# Altium PCB BtnCore.PcbDoc
Units mm, origin at the board's own origin, x right, y up, seen from the top; angles counter-clockwise.
Board outline 100 x 100 mm, 4 copper layers (Top Layer, GND, POWER, Bottom Layer), stack 0.603 mm thick; 78 components, 90 nets, 455 pads, 113 vias.
Unrouted connection lines stored in the file: 24.
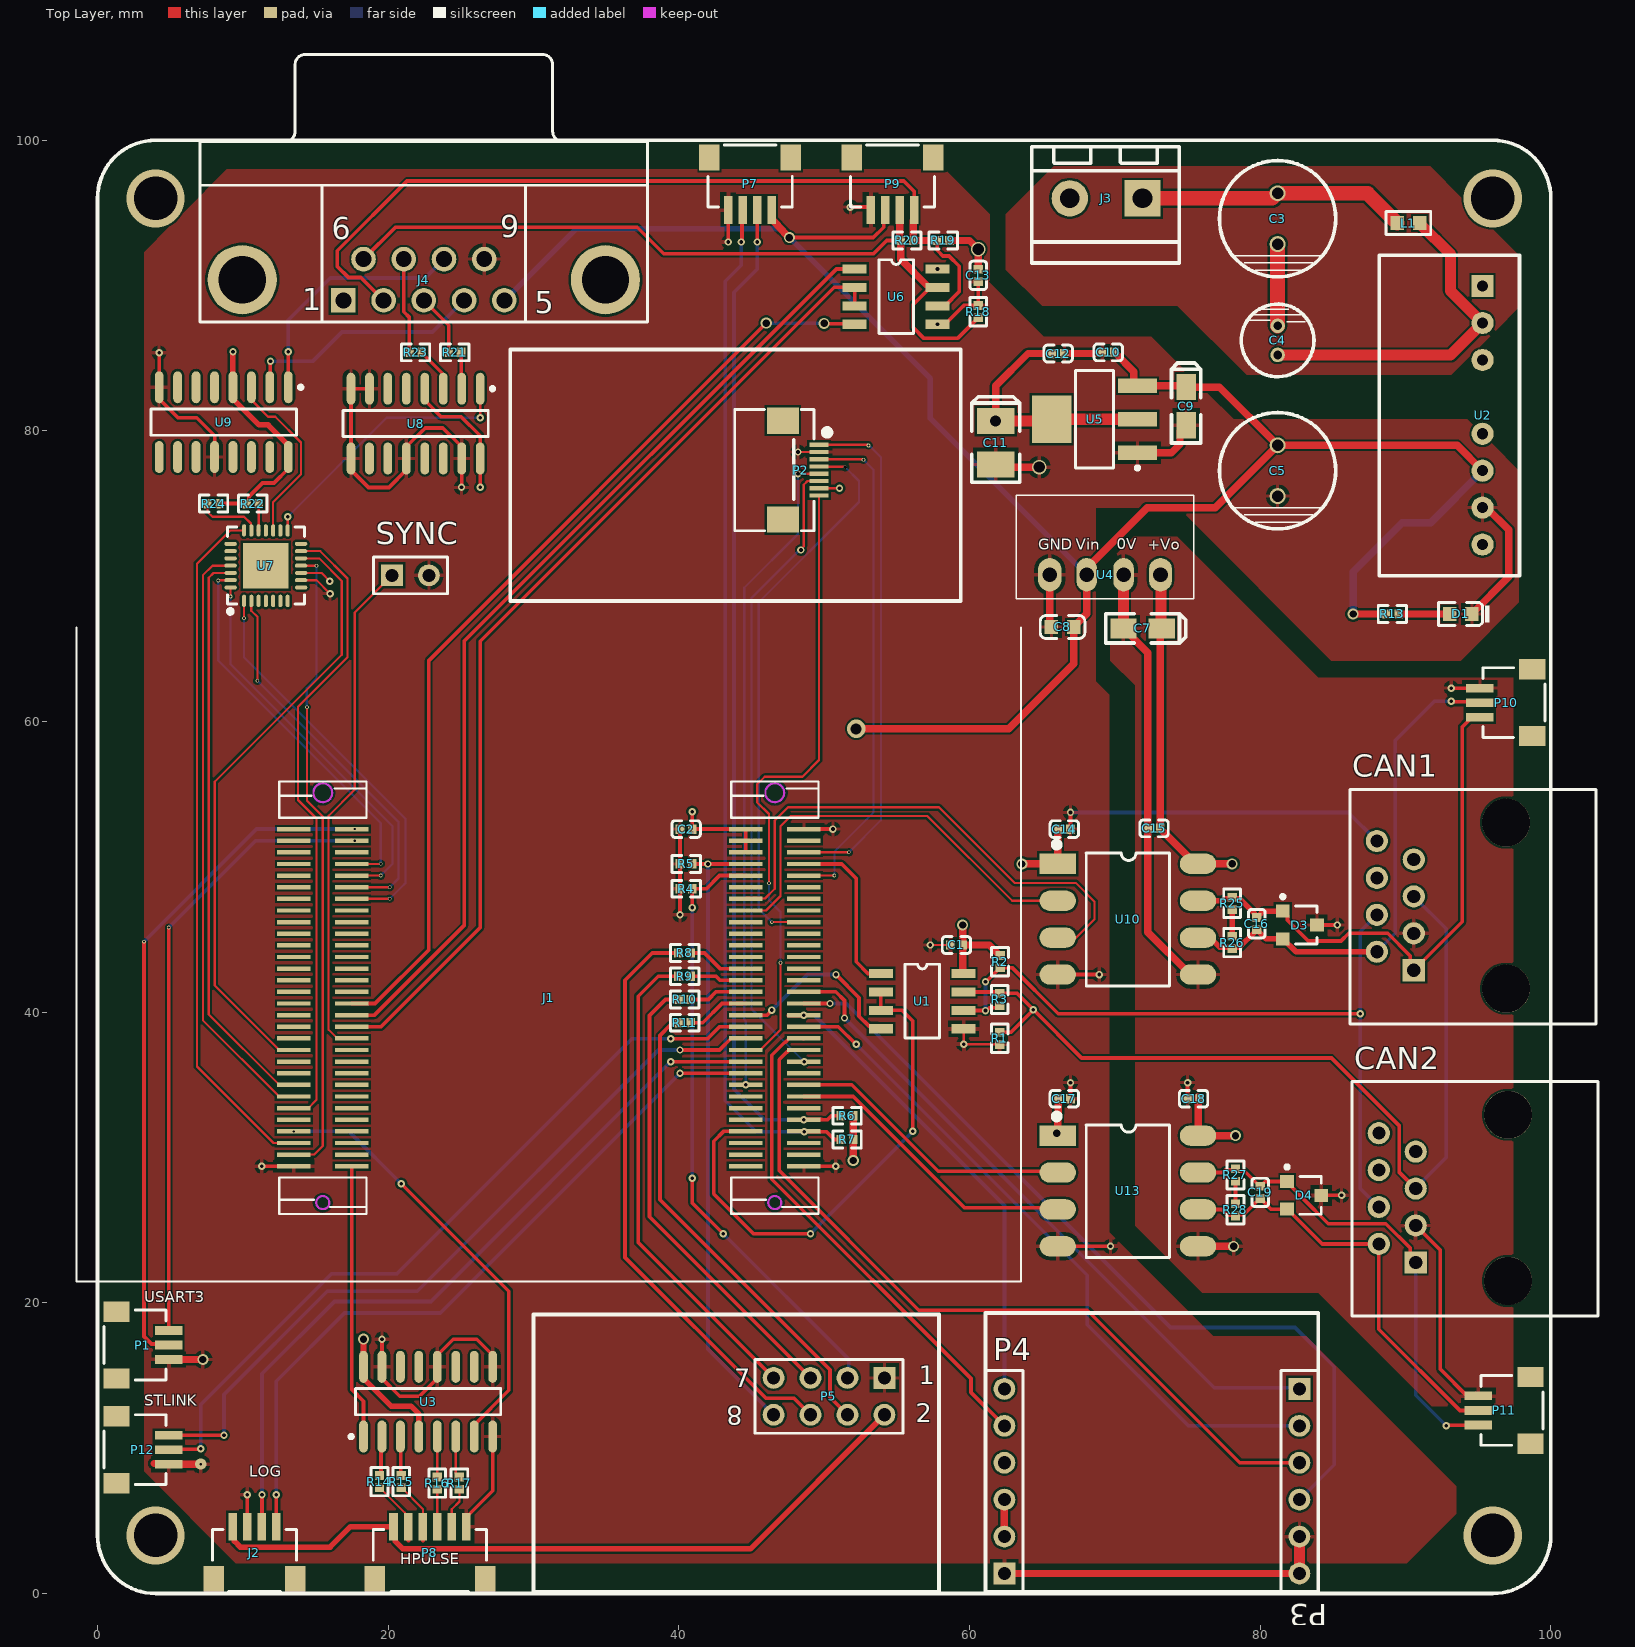
[diagram p0: Top Layer view]
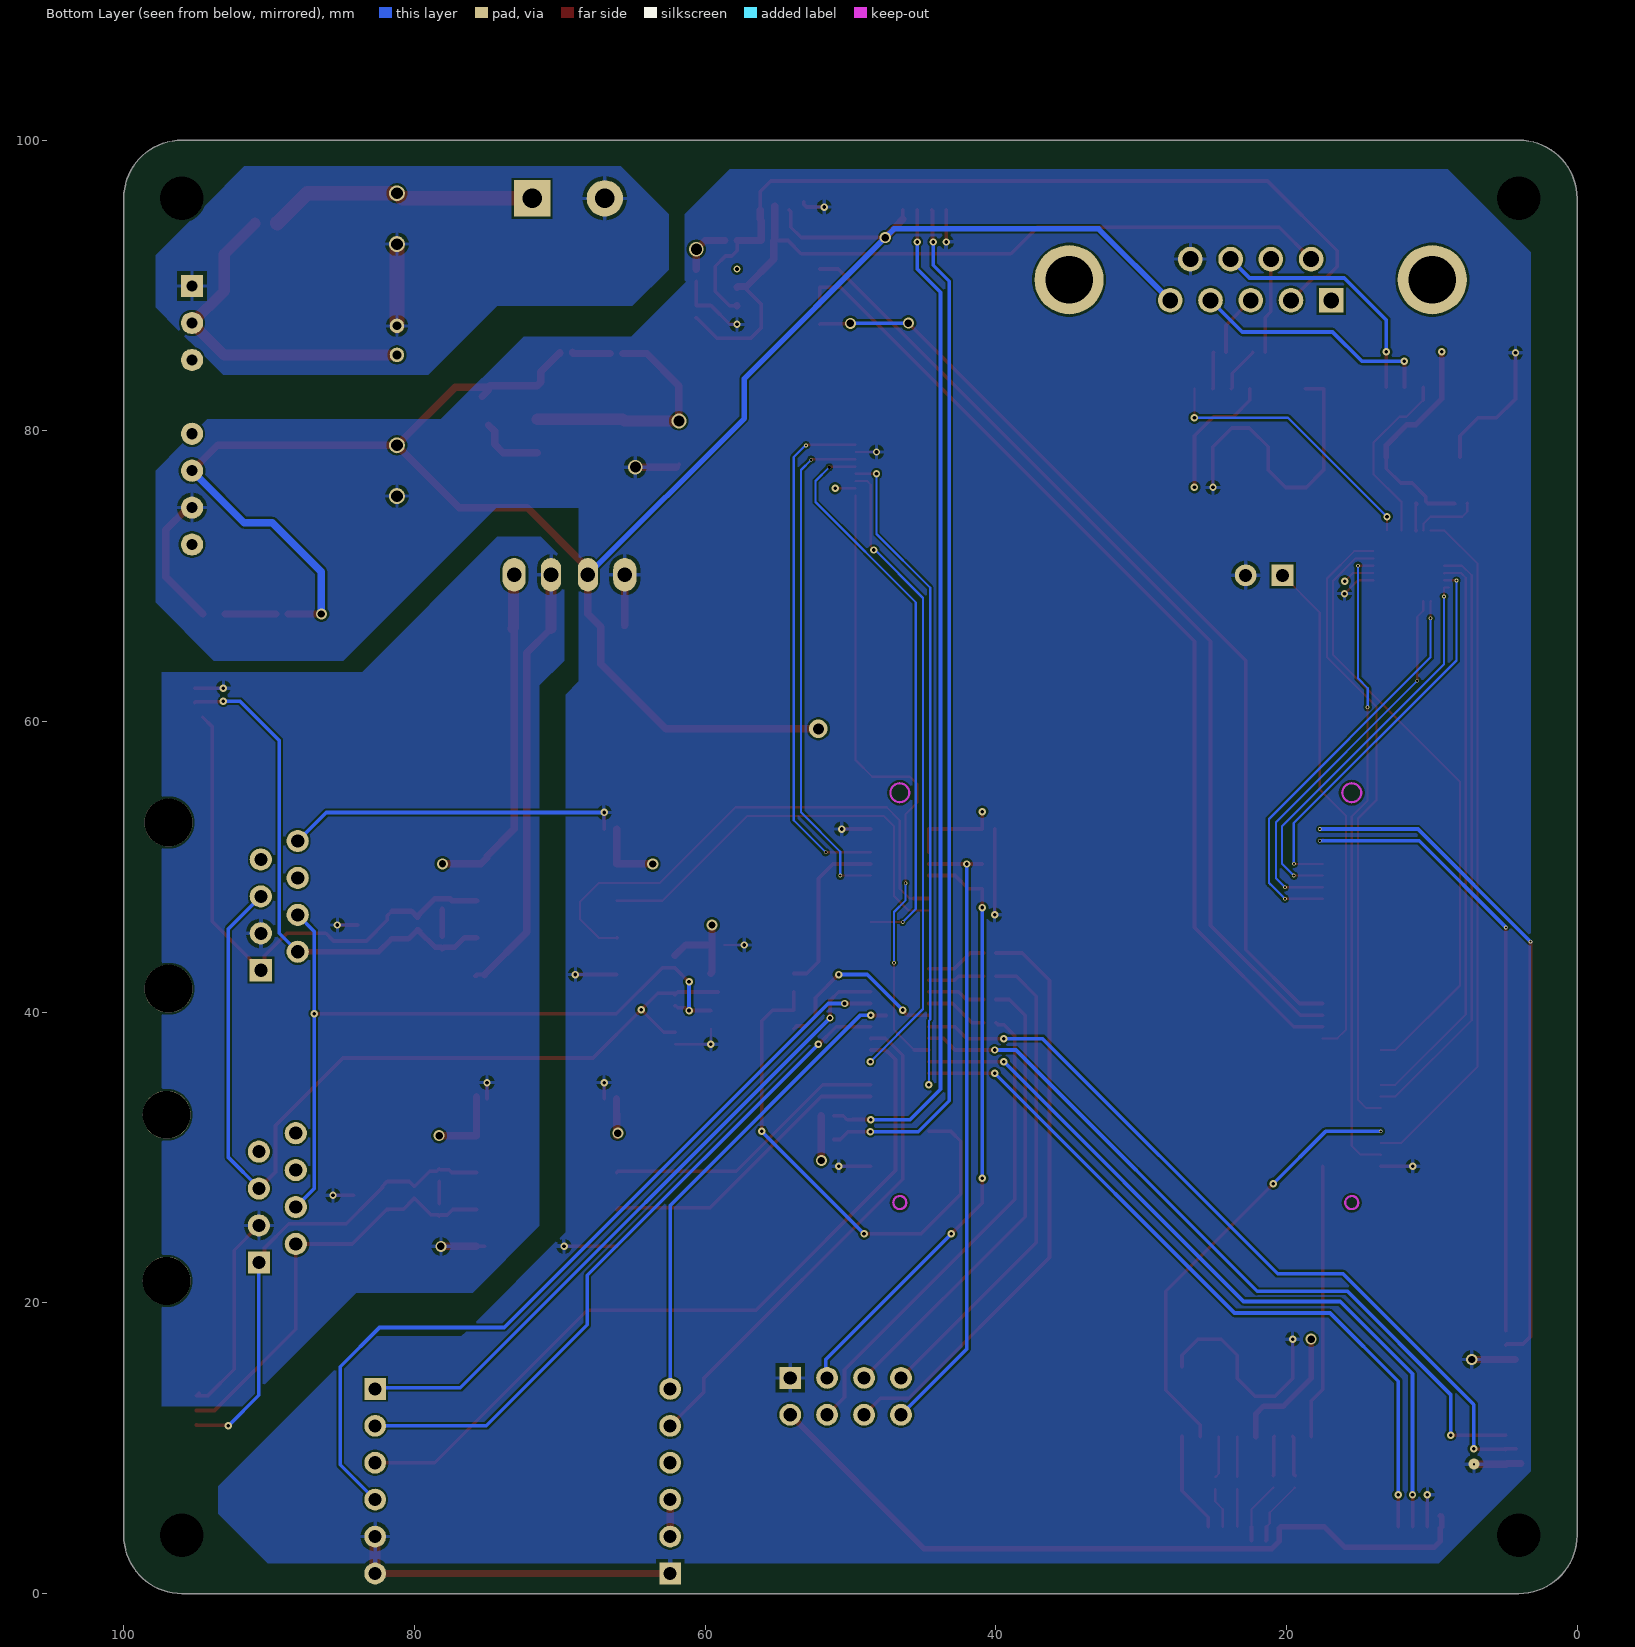
[diagram p1: Bottom Layer view, seen from below]
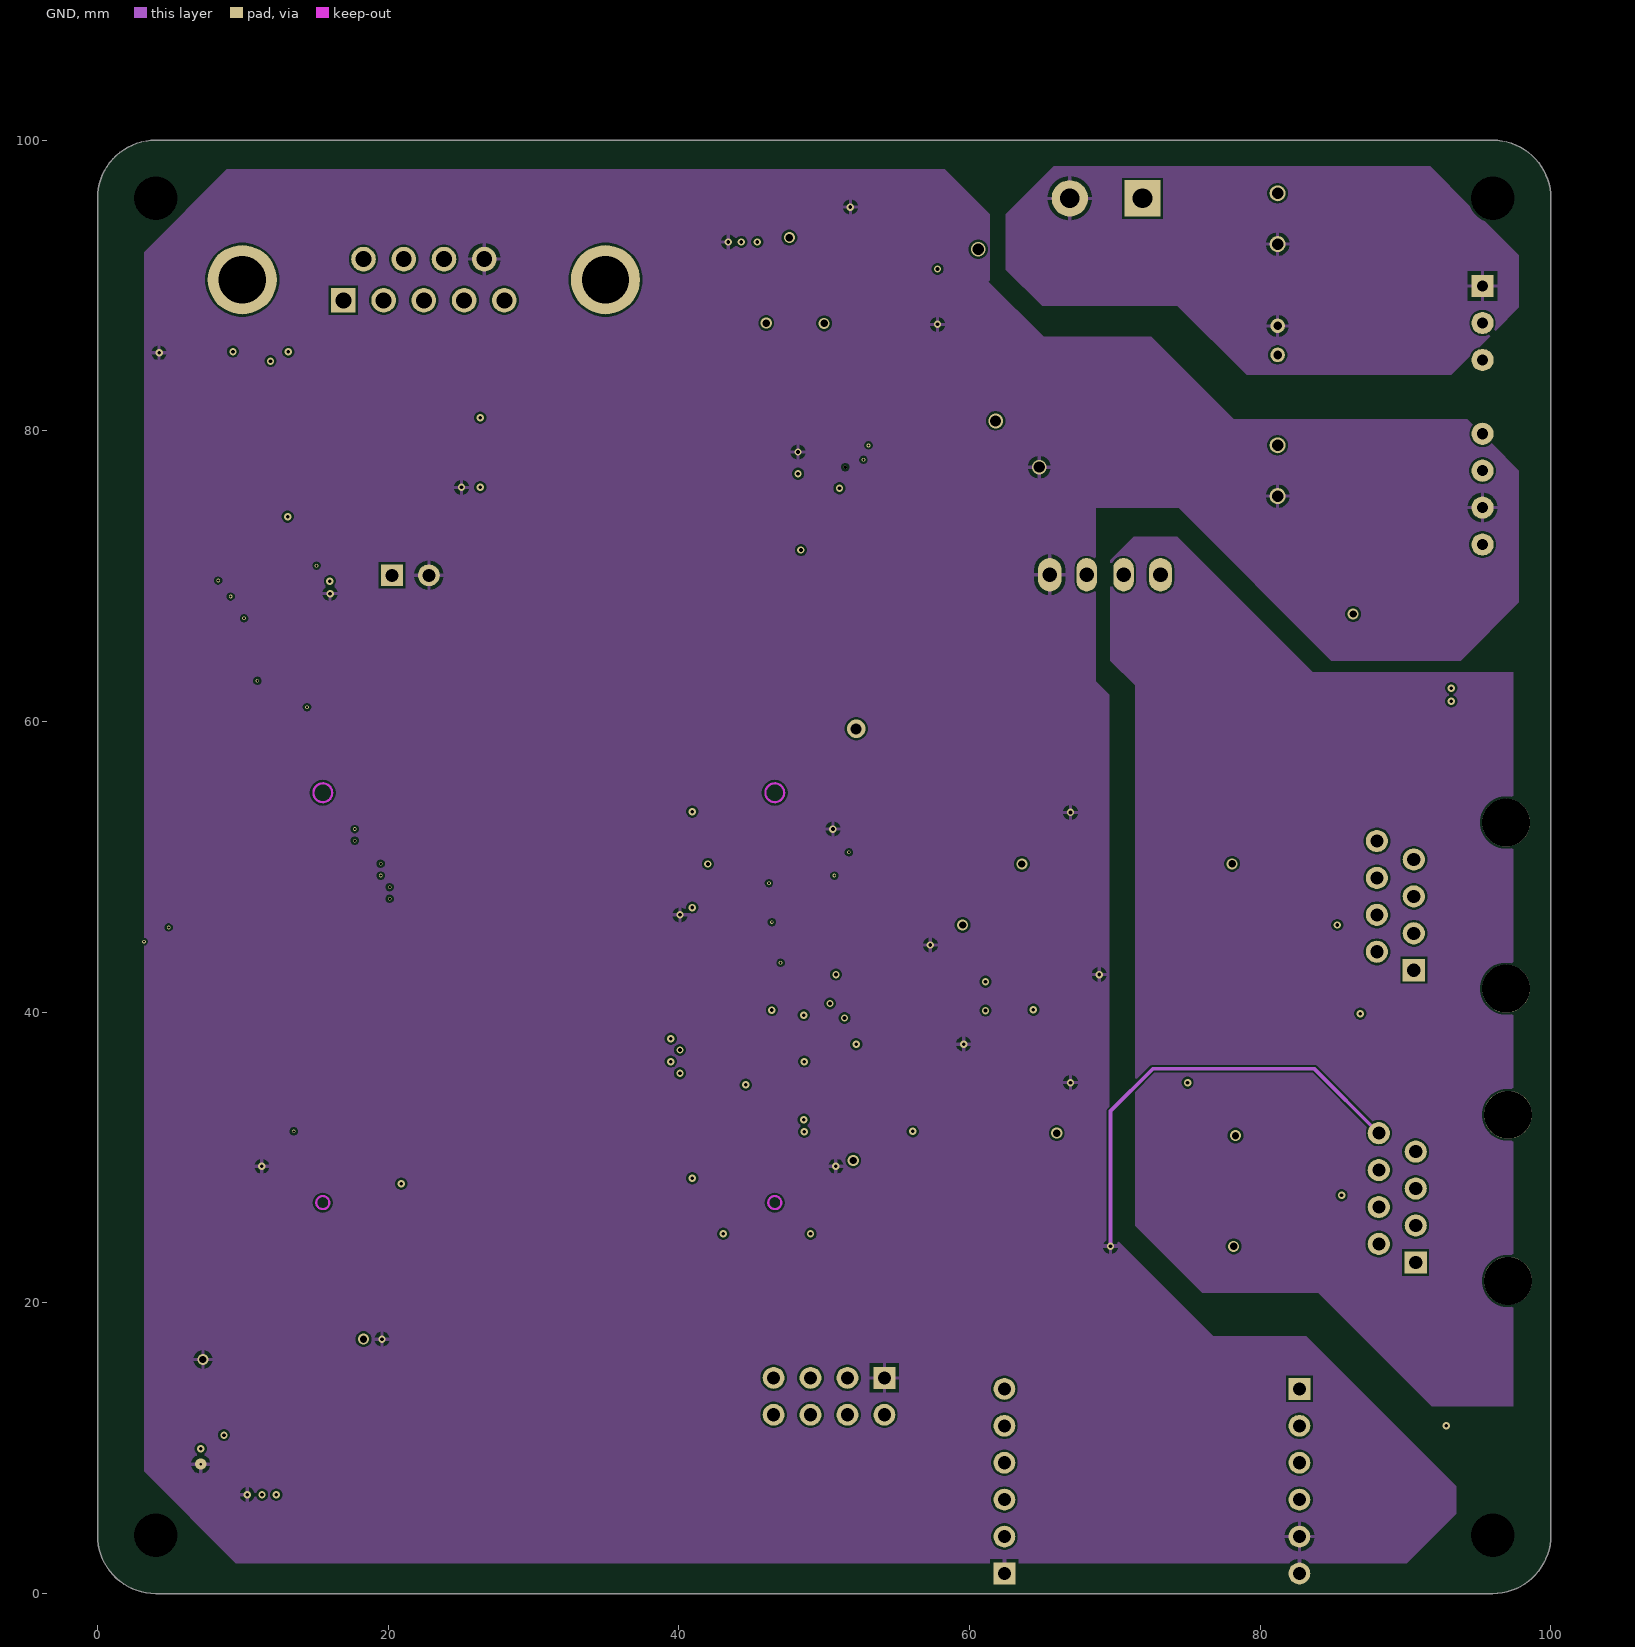
[diagram p2: GND]
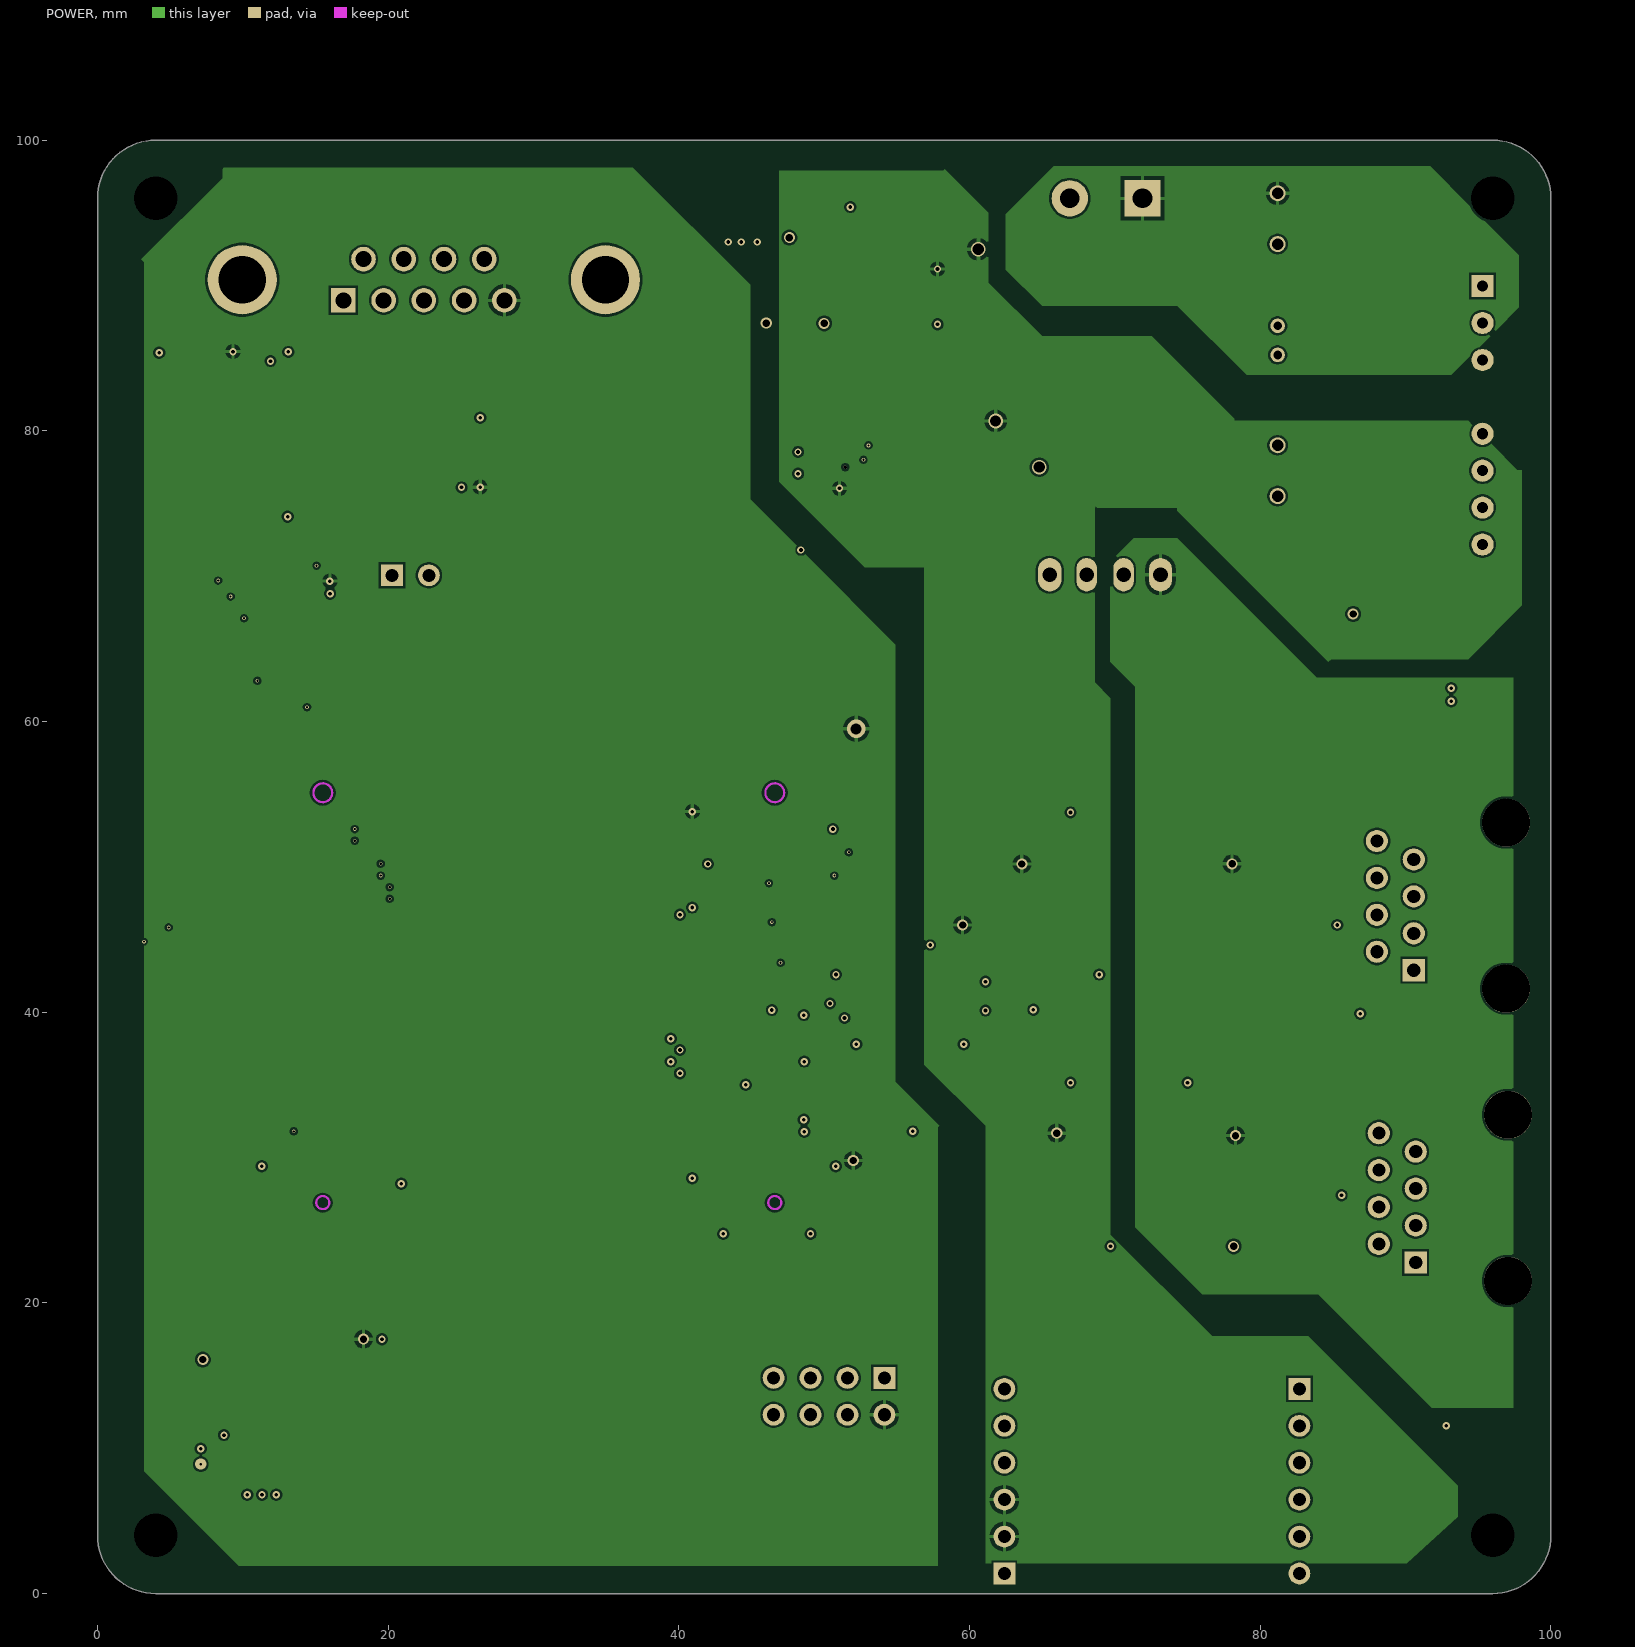
[diagram p3: POWER]
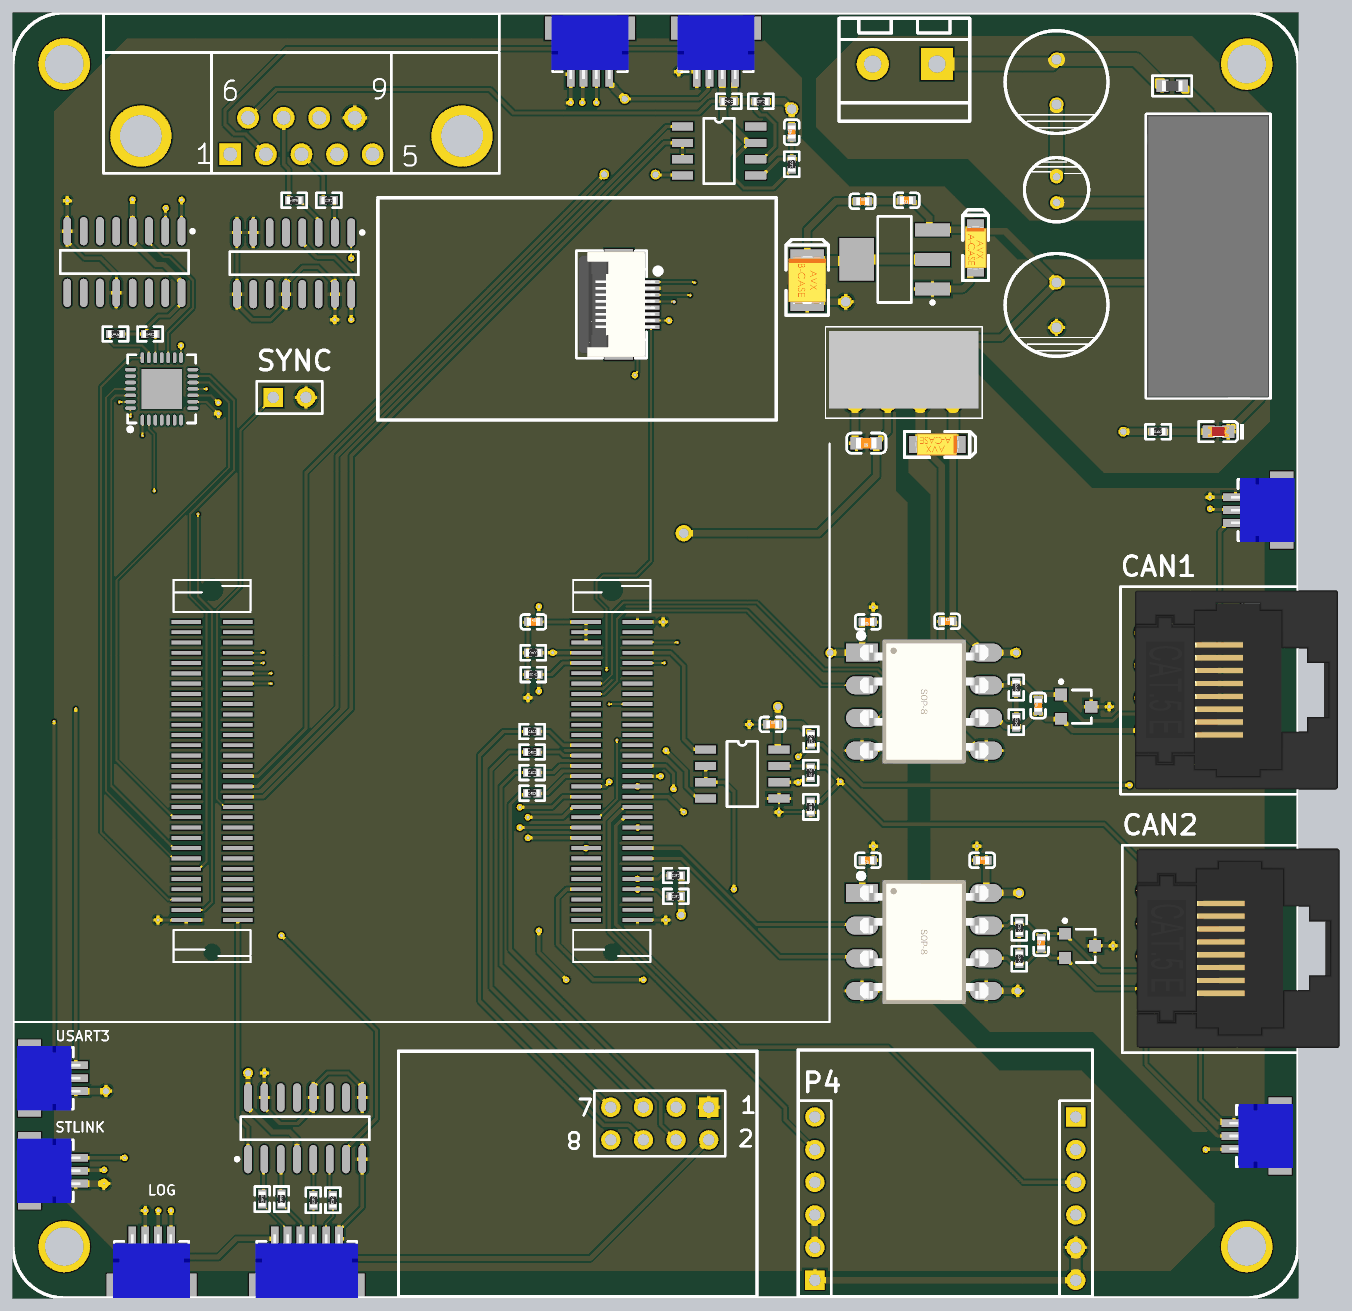
[diagram p4: 3D render of the assembled board from above, using the file's embedded part models]

## Layer stack, top to bottom
Top Solder: solder mask 0.0102, Solder Resist, Dk 3.5
Top Layer: signal copper 0.0356
Dielectric 1: dielectric 0.32, FR-4, Dk 4.8
GND: signal copper 0.035
Dielectric 3: prepreg 0.0711, PP-006, Dk 4.1
POWER: signal copper 0.035
Dielectric 2: prepreg 0.0711, PP-006, Dk 4.1
Bottom Layer: signal copper 0.0356
Bottom Solder: solder mask 0.0102, Solder Resist, Dk 3.5

## Board outline
0,4 ccw(c4,4) 4,0 96,0 ccw(c96,4) 100,4 100,96 ccw(c96,96) 96,100 4,100 ccw(c4,96) 0,96

## Design rules (kind name [scope] priority, off if disabled: settings)
Clearance [All] p1: gap=0.15 ignorepadtopadclearanceinfootprint=FALSE
HoleSize [All] p1: absolutevalues=TRUE maxlimit=5.08 minlimit=0.025 maxpercent=80.000 minpercent=20.000
MinimumSolderMaskSliver [All] p1: minsoldermaskwidth=0
PolygonConnect [All] p1: connectstyle=Relief reliefconductorwidth=0.254 reliefentries=4 polygonreliefangle="90 Angle" airgapwidth=0.254
RoutingVias [All] p1: holewidth=0.711 width=1.27 viastyle="Through Hole" minholewidth=0.711 minwidth=1.27 maxholewidth=0.711 maxwidth=1.27
SilkToSilkClearance [All] p1: silktosilkclearance=0.1
SilkToSolderMaskClearance [IsPad] p1: minsilkscreentomaskgap=0.05 clearancetoexposedcopper=TRUE
SolderMaskExpansion [All] p1: expansion=0.102 istentingtop=FALSE
Width [All] p1: maxlimit=1.27 minlimit=0.01 preferedwidth=0.254
26 further rules are at their usual default settings.

## Classes and differential pairs
component class MagnetSensor: C13 J4 P9 R18 R19 R20 R21 R22 R23 R24 U6 U7 U8 U9
component class CAN: C14 C15 C16 C17 C18 C19 CAN1 CAN2 D3 D4 P10 P11 R25 R26 R27 R28 U10 U13
component class BtnCore: C1 C2 C3 C4 C5 C7 C8 C9 C10 C11 C12 D1 J1 J2 J3 L1 P1 P2 P3 P4 P5 P7 P8 P12 R1 R2 R3 R4 R5 R6 R7 R8 R9 R10 R11 R13 R14 R15 R16 R17 SYNC U1 U2 U3 U4 U5

## Components (designator, comment, footprint, x,y, rotation, side; value= is the part's Value field where it differs from the comment)
C1 "100nF (104) 10% 50V" 0402_C 59.1,44.625 r0 top
C2 "100nF (104) 10% 50V" 0402_C 40.5,52.6 r0 top
C3 "Cap Pol1" CAP-E8mm 81.2,94.6 r270 top value=10uF/100V
C4 "Cap Pol1" CAP-E5mm 81.2,86.225 r90 top value=1uF/100V
C5 "Cap Pol1" CAP-E8mm 81.2,77.26 r270 top value=100uF/16V
C7 "10uF (106) ±10% 16V" CASE-A_3216 71.914,66.406 r0 top
C8 "4.7uF 10% 16V" 0603_C 66.4,66.506 r180 top
C9 "10uF (106) ±10% 16V" CASE-A_3216 74.9,81.7 r90 top
C10 "100nF (104) 10% 50V" 0402_C 69.544,85.4 r180 top
C11 "22uF (226) ±10% 16V" CASE-B_3528 61.8,79.188 r90 top
C12 "100nF (104) 10% 50V" 0402_C 66.1,85.322 r0 top
C13 "100nF (104) 10% 50V" 0402_C 60.6,90.7 r90 top
C14 "100nF (104) 10% 50V" 0402_C 66.522,52.6 r180 top
C15 "100nF (104) 10% 50V" 0402_C 72.7,52.646 r0 top
C16 "1nF (102) 10% 50V" 0402_C 79.769,46.093 r90 top
C17 "100nF (104) 10% 50V" 0402_C 66.522,34.05 r180 top
C18 "100nF (104) 10% 50V" 0402_C 75.417,34.05 r0 top
C19 "1nF (102) 10% 50V" 0402_C 80,27.6 r90 top
CAN1 "RJ45 8P8C" RJ45-8P8C 95.166,47.004 r270 top (schematic designator U11)
CAN2 "RJ45 8P8C" RJ45-8P8C 95.3,26.9 r270 top (schematic designator U12)
D1 "白灯 0603" 0603_LED_S1 93.8,67.4 r180 top
D3 "SMC05" SOT-23 82.6,46 r270 top
D4 "SMC05" SOT-23 82.9,27.4 r270 top
J1 "STM32F4&F7_CB" STM32F4&F7_CB 48.6,52.6 r180 top
J2 "SH1.0-4P-L" SH1.0-4P-L 10.8,2.8 r0 top
J3 "POWER" HEAD2L-0.8 71.9,96 r180 top
J4 "D Connector 9" DSUB1.385-2H9 22.454,99.9 r0 top
L1 "Inductor" 0603_L 90.2,94.3 r0 top value=10uH
P1 "SH1.0-3P" SH1.0-3P-L 3.1,17.1 r270 top
P2 "Header 8" "FPC0.5 2H-WS-8P" 47.151,77.3 r270 top
P3 "Header 6" HDR1X6 82.7,14.08 r270 top
P4 "Header 6" HDR1X6 62.4,1.38 r90 top
P5 "Header 4X2" HDR2X4 54.14,14.84 r180 top
P7 "Header 4" SH1.0-4P-L 44.9,97 r180 top
P8 "MHDR1X6" SH1.0-6P-L 22.872,2.8 r0 top
P9 "MHDR1X4" SH1.0-4P-L 54.7,97 r180 top
P10 "MHDR1X3" SH1.0-3P-L 96.919,61.3 r90 top
P11 "MHDR1X3" SH1.0-3P-L 96.8,12.6 r90 top
P12 "SH1.0-3P" SH1.0-3P-L 3.1,9.9 r270 top
R1 "360Ω (3600) ±1%" 0402_R 62.075,38.2 r270 top
R2 "360Ω (3600) ±1%" 0402_R 62.1,43.475 r270 top
R3 "120Ω (1200) ±1%" 0402_R 62.075,40.875 r270 top
R4 "10KΩ (1002) ±1%" 0402_R 40.5,48.5 r180 top
R5 "10KΩ (1002) ±1%" 0402_R 40.5,50.2 r0 top
R6 "10KΩ (1002) ±1%" 0402_R 51.575,32.875 r180 top
R7 "10KΩ (1002) ±1%" 0402_R 51.575,31.242 r180 top
R8 "33Ω (33R0) ±1%" 0402_R 40.4,44.075 r0 top
R9 "33Ω (33R0) ±1%" 0402_R 40.4,42.475 r0 top
R10 "33Ω (33R0) ±1%" 0402_R 40.4,40.875 r0 top
R11 "33Ω (33R0) ±1%" 0402_R 40.4,39.275 r0 top
R13 "10KΩ (1002) ±1%" 0402_R 89.1,67.4 r0 top
R14 "360Ω (3600) ±1%" 0402_R 19.4,7.7 r270 top
R15 "360Ω (3600) ±1%" 0402_R 20.9,7.7 r270 top
R16 "360Ω (3600) ±1%" 0402_R 23.379,7.6 r270 top
R17 "360Ω (3600) ±1%" 0402_R 24.9,7.6 r270 top
R18 "360Ω (3600) ±1%" 0402_R 60.6,88.2 r90 top
R19 "360Ω (3600) ±1%" 0402_R 58.2,93.1 r180 top
R20 "120Ω (1200) ±1%" 0402_R 55.7,93.1 r0 top
R21 "120Ω (1200) ±1%" 0402_R 24.584,85.4 r180 top
R22 "10KΩ (103) ±1%" 0402_R 10.676,75 r0 top
R23 "120Ω (1200) ±1%" 0402_R 21.884,85.4 r180 top
R24 "10KΩ (103) ±1%" 0402_R 7.982,75 r0 top
R25 "120Ω (1200) ±1%" 0402_R 78.069,47.493 r90 top
R26 "0Ω (0R0) ±1%" 0402_R 78.069,44.793 r90 top
R27 "120Ω (1200) ±1%" 0402_R 78.3,28.8 r90 top
R28 "0Ω (0R0) ±1%" 0402_R 78.3,26.4 r90 top
SYNC "Header 2" HDR1X2 20.26,70.063 r0 top (schematic designator P6)
U1 "SP3485" SOP-8 53.9,42.665 r0 top
U2 "WRB2405S_6WR2" DCDC_SUCCEED-WRA_S/WRB-1/2/3W 95.3,89.96 r270 top
U3 "AM26LS31" SO-16_N 22.744,13.2 r90 top
U4 "B0505S-1WR3" B_S-1WR3 69.33,70.106 r0 top
U5 "AMS1117-3.3" SOT223_M 68.604,80.8 r180 top
U6 "SP3485" SOP-8 52.1,91.14 r0 top
U7 "iC-MB4" QFN-28_5x5x05P 11.581,70.726 r0 top
U8 "AM26LS31" SO-16_N 21.884,80.5 r270 top
U9 "AM26LS32" SO-16_N 8.684,80.6 r270 top
U10 "NSi1050" SOP8-W2.54 70.9,46.4 r0 top
U13 "NSi1050" SOP8-W2.54 70.9,27.7 r0 top
